# KiCad board PANEL_COM_MOD.kicad_pcb (continued)
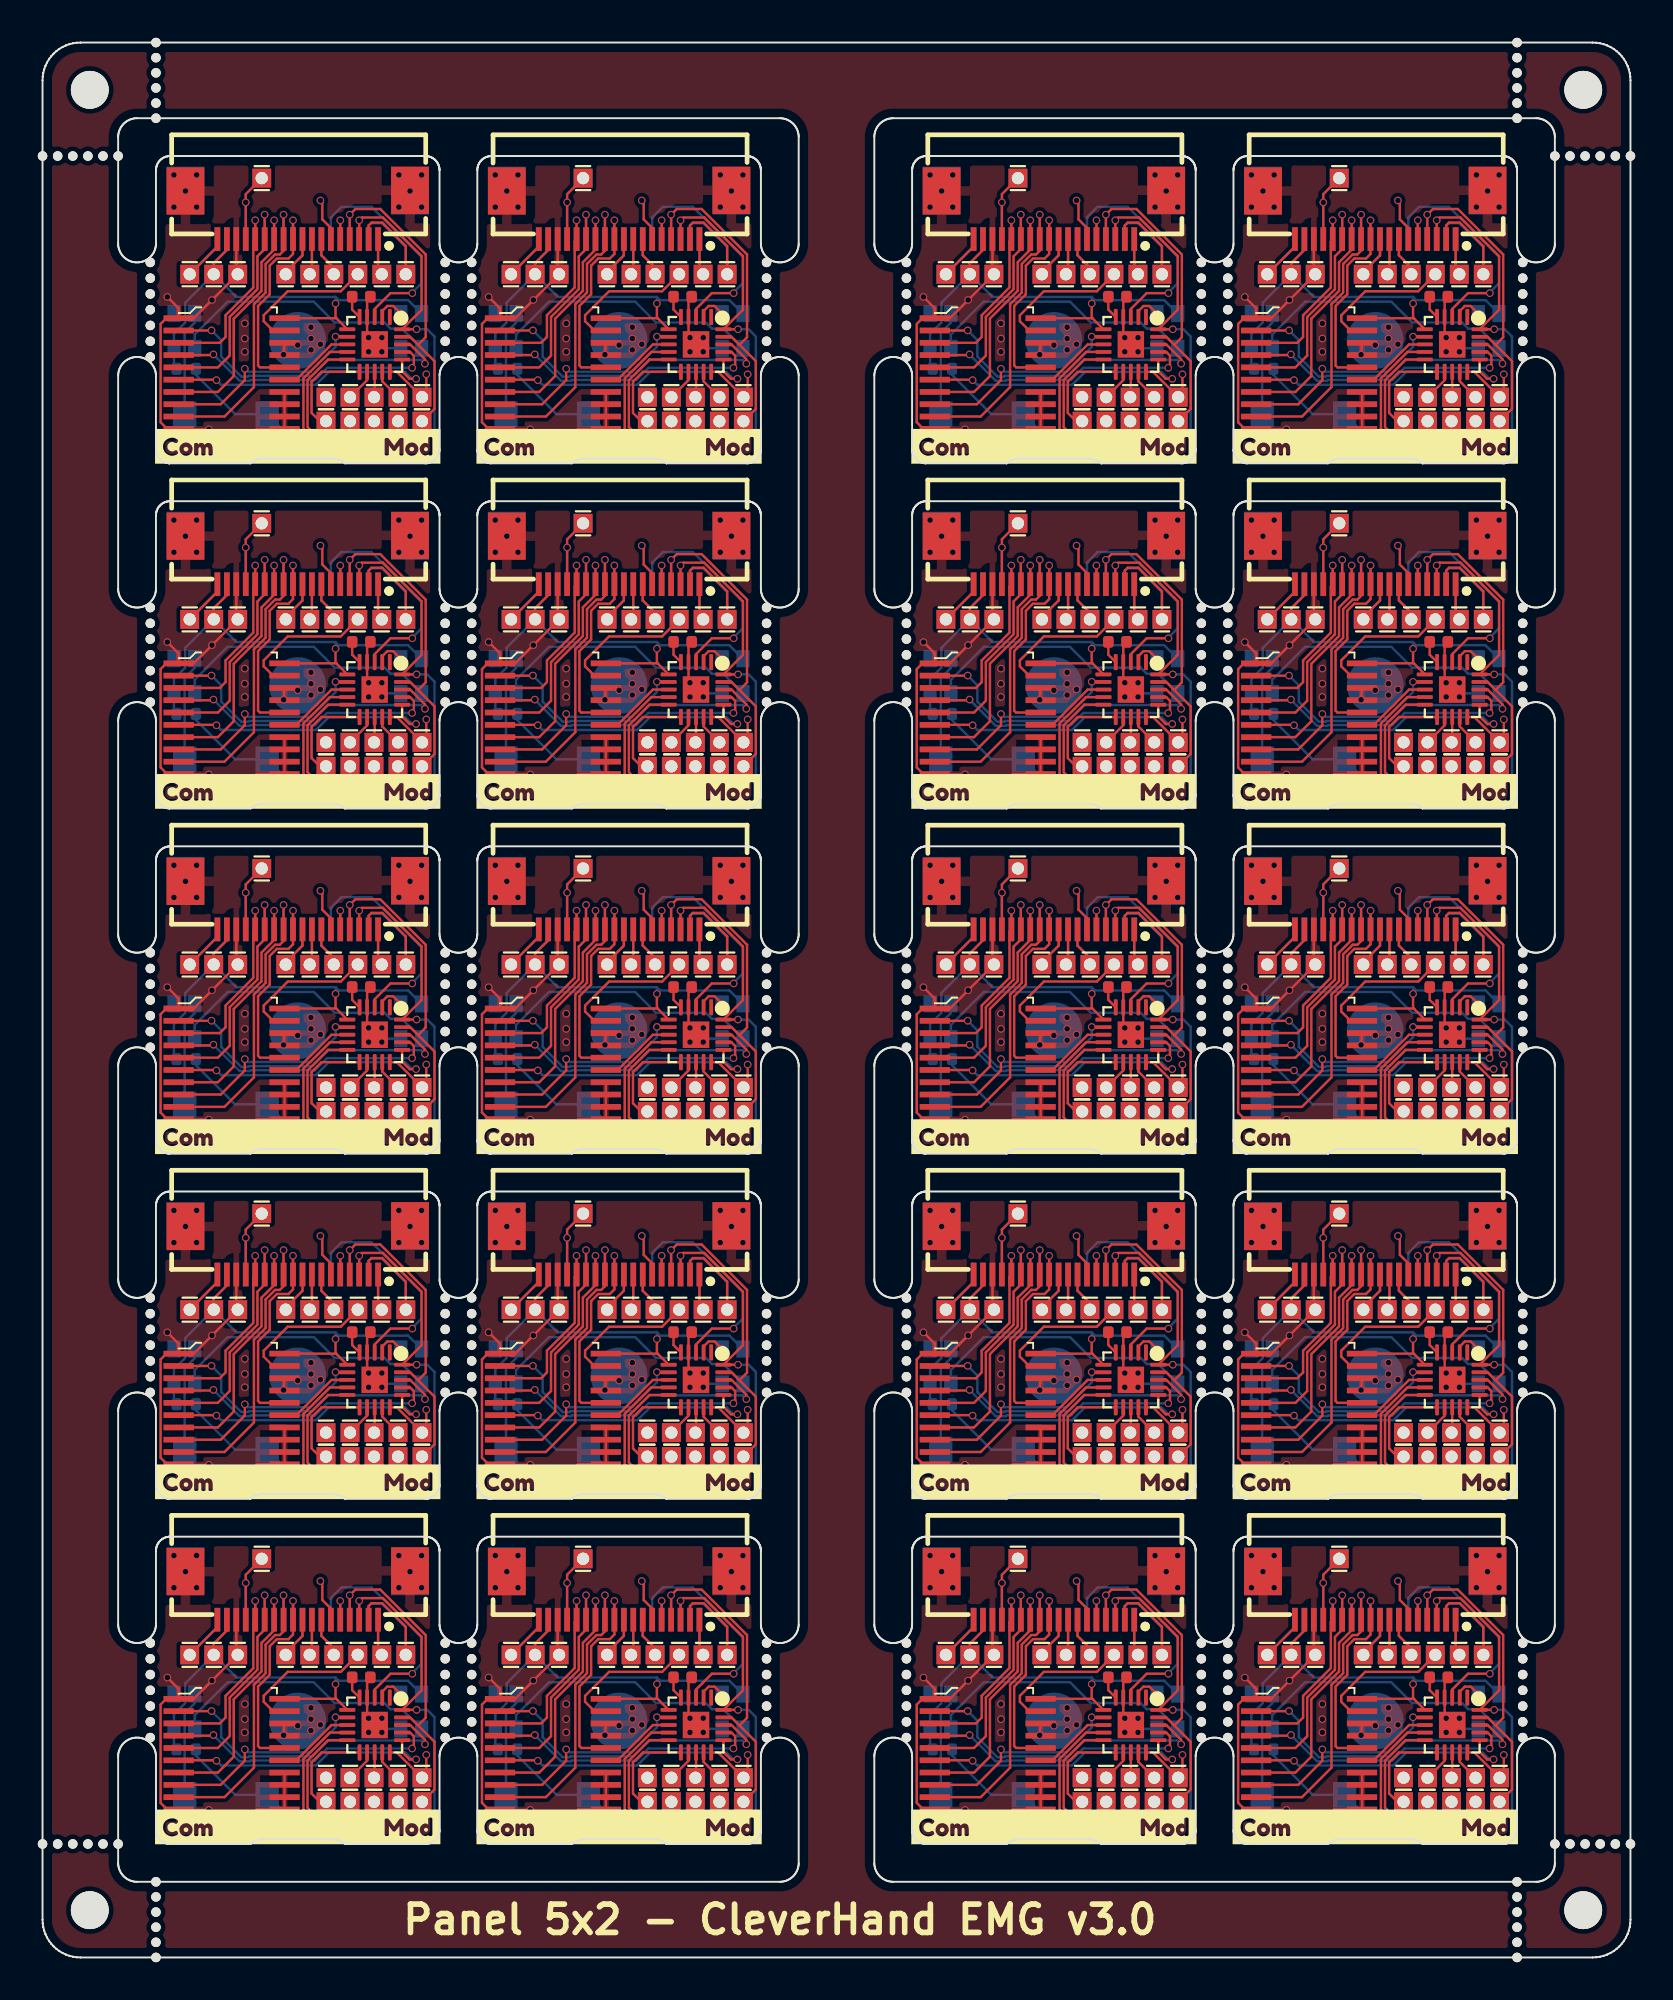
[diagram p0: board, top side]
## Placement (name value [footprint] x y rotation side) (continued)
KiKit_MB_38_4  -  [NPTH]  61.3 14.13 0 top
KiKit_MB_38_5  -  [NPTH]  61.3 13.29 0 top
KiKit_MB_38_6  -  [NPTH]  61.3 12.46 0 top
KiKit_MB_38_7  -  [NPTH]  61.3 11.63 0 top
KiKit_MB_39_1  -  [NPTH]  62.7 11.63 0 top
KiKit_MB_39_2  -  [NPTH]  62.7 12.46 0 top
KiKit_MB_39_3  -  [NPTH]  62.7 13.29 0 top
KiKit_MB_39_4  -  [NPTH]  62.7 14.13 0 top
KiKit_MB_39_5  -  [NPTH]  62.7 14.96 0 top
KiKit_MB_39_6  -  [NPTH]  62.7 15.79 0 top
KiKit_MB_39_7  -  [NPTH]  62.7 16.63 0 top
KiKit_MB_40_1  -  [NPTH]  78.3 16.63 0 top
KiKit_MB_40_2  -  [NPTH]  78.3 15.79 0 top
KiKit_MB_40_3  -  [NPTH]  78.3 14.96 0 top
KiKit_MB_40_4  -  [NPTH]  78.3 14.13 0 top
KiKit_MB_40_5  -  [NPTH]  78.3 13.29 0 top
KiKit_MB_40_6  -  [NPTH]  78.3 12.46 0 top
KiKit_MB_40_7  -  [NPTH]  78.3 11.63 0 top
KiKit_MB_41_1  -  [NPTH]  6 101.25 0 top
KiKit_MB_41_2  -  [NPTH]  6 100.45 0 top
KiKit_MB_41_3  -  [NPTH]  6 99.65 0 top
KiKit_MB_41_4  -  [NPTH]  6 98.85 0 top
KiKit_MB_41_5  -  [NPTH]  6 98.05 0 top
KiKit_MB_41_6  -  [NPTH]  6 97.25 0 top
KiKit_MB_42_1  -  [NPTH]  78 101.25 0 top
KiKit_MB_42_2  -  [NPTH]  78 100.45 0 top
KiKit_MB_42_3  -  [NPTH]  78 99.65 0 top
KiKit_MB_42_4  -  [NPTH]  78 98.85 0 top
KiKit_MB_42_5  -  [NPTH]  78 98.05 0 top
KiKit_MB_42_6  -  [NPTH]  78 97.25 0 top
KiKit_MB_43_1  -  [NPTH]  6 4 0 top
KiKit_MB_43_2  -  [NPTH]  6 3.2 0 top
KiKit_MB_43_3  -  [NPTH]  6 2.4 0 top
KiKit_MB_43_4  -  [NPTH]  6 1.6 0 top
KiKit_MB_43_5  -  [NPTH]  6 0.8 0 top
KiKit_MB_43_6  -  [NPTH]  6 0 0 top
KiKit_MB_44_1  -  [NPTH]  78 4 0 top
KiKit_MB_44_2  -  [NPTH]  78 3.2 0 top
KiKit_MB_44_3  -  [NPTH]  78 2.4 0 top
KiKit_MB_44_4  -  [NPTH]  78 1.6 0 top
KiKit_MB_44_5  -  [NPTH]  78 0.8 0 top
KiKit_MB_44_6  -  [NPTH]  78 0 0 top
KiKit_MB_45_1  -  [NPTH]  0 95.25 0 top
KiKit_MB_45_2  -  [NPTH]  0.8 95.25 0 top
KiKit_MB_45_3  -  [NPTH]  1.6 95.25 0 top
KiKit_MB_45_4  -  [NPTH]  2.4 95.25 0 top
KiKit_MB_45_5  -  [NPTH]  3.2 95.25 0 top
KiKit_MB_45_6  -  [NPTH]  4 95.25 0 top
KiKit_MB_46_1  -  [NPTH]  0 6 0 top
KiKit_MB_46_2  -  [NPTH]  0.8 6 0 top
KiKit_MB_46_3  -  [NPTH]  1.6 6 0 top
KiKit_MB_46_4  -  [NPTH]  2.4 6 0 top
KiKit_MB_46_5  -  [NPTH]  3.2 6 0 top
KiKit_MB_46_6  -  [NPTH]  4 6 0 top
KiKit_MB_47_1  -  [NPTH]  80 95.25 0 top
KiKit_MB_47_2  -  [NPTH]  80.8 95.25 0 top
KiKit_MB_47_3  -  [NPTH]  81.6 95.25 0 top
KiKit_MB_47_4  -  [NPTH]  82.4 95.25 0 top
KiKit_MB_47_5  -  [NPTH]  83.2 95.25 0 top
KiKit_MB_47_6  -  [NPTH]  84 95.25 0 top
KiKit_MB_48_1  -  [NPTH]  80 6 0 top
KiKit_MB_48_2  -  [NPTH]  80.8 6 0 top
KiKit_MB_48_3  -  [NPTH]  81.6 6 0 top
KiKit_MB_48_4  -  [NPTH]  82.4 6 0 top
KiKit_MB_48_5  -  [NPTH]  83.2 6 0 top
KiKit_MB_48_6  -  [NPTH]  84 6 0 top
KiKit_TO_1  -  [NPTH#2]  2.5 98.75 0 top
KiKit_TO_2  -  [NPTH#2]  81.5 98.75 0 top
KiKit_TO_3  -  [NPTH#2]  2.5 2.5 0 top
KiKit_TO_4  -  [NPTH#2]  81.5 2.5 0 top
LED1  WS2812C-2020-V1  [LED-SMD_4P-L2.0-W2.0-TL_WS2812B-2020]  76.5 13 90 bottom
LED1#2  WS2812C-2020-V1  [LED-SMD_4P-L2.0-W2.0-TL_WS2812B-2020]  36.5 86 90 bottom
LED1#3  WS2812C-2020-V1  [LED-SMD_4P-L2.0-W2.0-TL_WS2812B-2020]  19.5 67.75 90 bottom
LED1#4  WS2812C-2020-V1  [LED-SMD_4P-L2.0-W2.0-TL_WS2812B-2020]  19.5 86 90 bottom
LED1#5  WS2812C-2020-V1  [LED-SMD_4P-L2.0-W2.0-TL_WS2812B-2020]  36.5 67.75 90 bottom
LED1#6  WS2812C-2020-V1  [LED-SMD_4P-L2.0-W2.0-TL_WS2812B-2020]  76.5 31.25 90 bottom
LED1#7  WS2812C-2020-V1  [LED-SMD_4P-L2.0-W2.0-TL_WS2812B-2020]  76.5 49.5 90 bottom
LED1#8  WS2812C-2020-V1  [LED-SMD_4P-L2.0-W2.0-TL_WS2812B-2020]  59.5 67.75 90 bottom
LED1#9  WS2812C-2020-V1  [LED-SMD_4P-L2.0-W2.0-TL_WS2812B-2020]  19.5 13 90 bottom
LED1#10  WS2812C-2020-V1  [LED-SMD_4P-L2.0-W2.0-TL_WS2812B-2020]  76.5 67.75 90 bottom
LED1#11  WS2812C-2020-V1  [LED-SMD_4P-L2.0-W2.0-TL_WS2812B-2020]  59.5 13 90 bottom
LED1#12  WS2812C-2020-V1  [LED-SMD_4P-L2.0-W2.0-TL_WS2812B-2020]  59.5 49.5 90 bottom
LED1#13  WS2812C-2020-V1  [LED-SMD_4P-L2.0-W2.0-TL_WS2812B-2020]  36.5 13 90 bottom
LED1#14  WS2812C-2020-V1  [LED-SMD_4P-L2.0-W2.0-TL_WS2812B-2020]  59.5 31.25 90 bottom
LED1#15  WS2812C-2020-V1  [LED-SMD_4P-L2.0-W2.0-TL_WS2812B-2020]  36.5 49.5 90 bottom
LED1#16  WS2812C-2020-V1  [LED-SMD_4P-L2.0-W2.0-TL_WS2812B-2020]  19.5 31.25 90 bottom
LED1#17  WS2812C-2020-V1  [LED-SMD_4P-L2.0-W2.0-TL_WS2812B-2020]  36.5 31.25 90 bottom
LED1#18  WS2812C-2020-V1  [LED-SMD_4P-L2.0-W2.0-TL_WS2812B-2020]  19.5 49.5 90 bottom
LED1#19  WS2812C-2020-V1  [LED-SMD_4P-L2.0-W2.0-TL_WS2812B-2020]  76.5 86 90 bottom
LED1#20  WS2812C-2020-V1  [LED-SMD_4P-L2.0-W2.0-TL_WS2812B-2020]  59.5 86 90 bottom
LED2  WS2812C  [LED-SMD_4P-L2.0-W2.0-TL_WS2812B-2020]  24.5 13 270 bottom
LED2#2  WS2812C  [LED-SMD_4P-L2.0-W2.0-TL_WS2812B-2020]  24.5 31.25 270 bottom
LED2#3  WS2812C  [LED-SMD_4P-L2.0-W2.0-TL_WS2812B-2020]  24.5 86 270 bottom
LED2#4  WS2812C  [LED-SMD_4P-L2.0-W2.0-TL_WS2812B-2020]  64.5 13 270 bottom
LED2#5  WS2812C  [LED-SMD_4P-L2.0-W2.0-TL_WS2812B-2020]  47.5 86 270 bottom
LED2#6  WS2812C  [LED-SMD_4P-L2.0-W2.0-TL_WS2812B-2020]  47.5 31.25 270 bottom
LED2#7  WS2812C  [LED-SMD_4P-L2.0-W2.0-TL_WS2812B-2020]  7.5 67.75 270 bottom
LED2#8  WS2812C  [LED-SMD_4P-L2.0-W2.0-TL_WS2812B-2020]  7.5 13 270 bottom
LED2#9  WS2812C  [LED-SMD_4P-L2.0-W2.0-TL_WS2812B-2020]  24.5 49.5 270 bottom
LED2#10  WS2812C  [LED-SMD_4P-L2.0-W2.0-TL_WS2812B-2020]  64.5 67.75 270 bottom
LED2#11  WS2812C  [LED-SMD_4P-L2.0-W2.0-TL_WS2812B-2020]  64.5 31.25 270 bottom
LED2#12  WS2812C  [LED-SMD_4P-L2.0-W2.0-TL_WS2812B-2020]  47.5 49.5 270 bottom
LED2#13  WS2812C  [LED-SMD_4P-L2.0-W2.0-TL_WS2812B-2020]  7.5 31.25 270 bottom
LED2#14  WS2812C  [LED-SMD_4P-L2.0-W2.0-TL_WS2812B-2020]  47.5 13 270 bottom
LED2#15  WS2812C  [LED-SMD_4P-L2.0-W2.0-TL_WS2812B-2020]  24.5 67.75 270 bottom
LED2#16  WS2812C  [LED-SMD_4P-L2.0-W2.0-TL_WS2812B-2020]  7.5 86 270 bottom
LED2#17  WS2812C  [LED-SMD_4P-L2.0-W2.0-TL_WS2812B-2020]  47.5 67.75 270 bottom
LED2#18  WS2812C  [LED-SMD_4P-L2.0-W2.0-TL_WS2812B-2020]  64.5 86 270 bottom
LED2#19  WS2812C  [LED-SMD_4P-L2.0-W2.0-TL_WS2812B-2020]  64.5 49.5 270 bottom
LED2#20  WS2812C  [LED-SMD_4P-L2.0-W2.0-TL_WS2812B-2020]  7.5 49.5 270 bottom
R1  10K  [R_0402_1005Metric]  47.6 65.75 0 bottom
R1#2  10K  [R_0402_1005Metric]  47.6 11 0 bottom
R1#3  10K  [R_0402_1005Metric]  24.6 84 0 bottom
R1#4  10K  [R_0402_1005Metric]  47.6 29.25 0 bottom
R1#5  10K  [R_0402_1005Metric]  47.6 47.5 0 bottom
R1#6  10K  [R_0402_1005Metric]  7.6 29.25 0 bottom
R1#7  10K  [R_0402_1005Metric]  64.6 29.25 0 bottom
R1#8  10K  [R_0402_1005Metric]  7.6 47.5 0 bottom
R1#9  10K  [R_0402_1005Metric]  7.6 11 0 bottom
R1#10  10K  [R_0402_1005Metric]  64.6 84 0 bottom
R1#11  10K  [R_0402_1005Metric]  24.6 11 0 bottom
R1#12  10K  [R_0402_1005Metric]  24.6 65.75 0 bottom
R1#13  10K  [R_0402_1005Metric]  7.6 84 0 bottom
R1#14  10K  [R_0402_1005Metric]  64.6 65.75 0 bottom
R1#15  10K  [R_0402_1005Metric]  47.6 84 0 bottom
R1#16  10K  [R_0402_1005Metric]  24.6 29.25 0 bottom
R1#17  10K  [R_0402_1005Metric]  24.6 47.5 0 bottom
R1#18  10K  [R_0402_1005Metric]  64.6 47.5 0 bottom
R1#19  10K  [R_0402_1005Metric]  7.6 65.75 0 bottom
R1#20  10K  [R_0402_1005Metric]  64.6 11 0 bottom
SW1  TS-1088R-02026  [SW-SMD_L3.9-W3.0-P4.45]  26.7 81.6 180 bottom
SW1#2  TS-1088R-02026  [SW-SMD_L3.9-W3.0-P4.45]  49.7 8.6 180 bottom
SW1#3  TS-1088R-02026  [SW-SMD_L3.9-W3.0-P4.45]  9.7 8.6 180 bottom
SW1#4  TS-1088R-02026  [SW-SMD_L3.9-W3.0-P4.45]  49.7 81.6 180 bottom
SW1#5  TS-1088R-02026  [SW-SMD_L3.9-W3.0-P4.45]  49.7 63.35 180 bottom
SW1#6  TS-1088R-02026  [SW-SMD_L3.9-W3.0-P4.45]  26.7 8.6 180 bottom
SW1#7  TS-1088R-02026  [SW-SMD_L3.9-W3.0-P4.45]  26.7 45.1 180 bottom
SW1#8  TS-1088R-02026  [SW-SMD_L3.9-W3.0-P4.45]  9.7 45.1 180 bottom
SW1#9  TS-1088R-02026  [SW-SMD_L3.9-W3.0-P4.45]  66.7 8.6 180 bottom
SW1#10  TS-1088R-02026  [SW-SMD_L3.9-W3.0-P4.45]  66.7 26.85 180 bottom
SW1#11  TS-1088R-02026  [SW-SMD_L3.9-W3.0-P4.45]  26.7 63.35 180 bottom
SW1#12  TS-1088R-02026  [SW-SMD_L3.9-W3.0-P4.45]  66.7 81.6 180 bottom
SW1#13  TS-1088R-02026  [SW-SMD_L3.9-W3.0-P4.45]  9.7 63.35 180 bottom
SW1#14  TS-1088R-02026  [SW-SMD_L3.9-W3.0-P4.45]  26.7 26.85 180 bottom
SW1#15  TS-1088R-02026  [SW-SMD_L3.9-W3.0-P4.45]  9.7 26.85 180 bottom
SW1#16  TS-1088R-02026  [SW-SMD_L3.9-W3.0-P4.45]  49.7 45.1 180 bottom
SW1#17  TS-1088R-02026  [SW-SMD_L3.9-W3.0-P4.45]  9.7 81.6 180 bottom
SW1#18  TS-1088R-02026  [SW-SMD_L3.9-W3.0-P4.45]  66.7 63.35 180 bottom
SW1#19  TS-1088R-02026  [SW-SMD_L3.9-W3.0-P4.45]  49.7 26.85 180 bottom
SW1#20  TS-1088R-02026  [SW-SMD_L3.9-W3.0-P4.45]  66.7 45.1 180 bottom
U1  HC32L110C6UA  [QFN-20-1EP_3x3mm_P0.4mm_EP1.4x1.4mm]  74.57 67.04 270 top
U1#2  HC32L110C6UA  [QFN-20-1EP_3x3mm_P0.4mm_EP1.4x1.4mm]  34.57 12.29 270 top
U1#3  HC32L110C6UA  [QFN-20-1EP_3x3mm_P0.4mm_EP1.4x1.4mm]  34.57 85.29 270 top
U1#4  HC32L110C6UA  [QFN-20-1EP_3x3mm_P0.4mm_EP1.4x1.4mm]  17.57 30.54 270 top
U1#5  HC32L110C6UA  [QFN-20-1EP_3x3mm_P0.4mm_EP1.4x1.4mm]  57.57 30.54 270 top
U1#6  HC32L110C6UA  [QFN-20-1EP_3x3mm_P0.4mm_EP1.4x1.4mm]  74.57 85.29 270 top
U1#7  HC32L110C6UA  [QFN-20-1EP_3x3mm_P0.4mm_EP1.4x1.4mm]  17.57 67.04 270 top
U1#8  HC32L110C6UA  [QFN-20-1EP_3x3mm_P0.4mm_EP1.4x1.4mm]  17.57 12.29 270 top
U1#9  HC32L110C6UA  [QFN-20-1EP_3x3mm_P0.4mm_EP1.4x1.4mm]  74.57 30.54 270 top
U1#10  HC32L110C6UA  [QFN-20-1EP_3x3mm_P0.4mm_EP1.4x1.4mm]  17.57 48.79 270 top
U1#11  HC32L110C6UA  [QFN-20-1EP_3x3mm_P0.4mm_EP1.4x1.4mm]  57.57 85.29 270 top
U1#12  HC32L110C6UA  [QFN-20-1EP_3x3mm_P0.4mm_EP1.4x1.4mm]  34.57 30.54 270 top
U1#13  HC32L110C6UA  [QFN-20-1EP_3x3mm_P0.4mm_EP1.4x1.4mm]  74.57 12.29 270 top
U1#14  HC32L110C6UA  [QFN-20-1EP_3x3mm_P0.4mm_EP1.4x1.4mm]  57.57 48.79 270 top
U1#15  HC32L110C6UA  [QFN-20-1EP_3x3mm_P0.4mm_EP1.4x1.4mm]  34.57 48.79 270 top
U1#16  HC32L110C6UA  [QFN-20-1EP_3x3mm_P0.4mm_EP1.4x1.4mm]  17.57 85.29 270 top
U1#17  HC32L110C6UA  [QFN-20-1EP_3x3mm_P0.4mm_EP1.4x1.4mm]  57.57 12.29 270 top
U1#18  HC32L110C6UA  [QFN-20-1EP_3x3mm_P0.4mm_EP1.4x1.4mm]  74.57 48.79 270 top
U1#19  HC32L110C6UA  [QFN-20-1EP_3x3mm_P0.4mm_EP1.4x1.4mm]  34.57 67.04 270 top
U1#20  HC32L110C6UA  [QFN-20-1EP_3x3mm_P0.4mm_EP1.4x1.4mm]  57.57 67.04 270 top
U2  74HC688  [TSSOP-20_W4.4mm]  27 29 270 top
U2#2  74HC688  [TSSOP-20_W4.4mm]  50 47.25 270 top
U2#3  74HC688  [TSSOP-20_W4.4mm]  67 47.25 270 top
U2#4  74HC688  [TSSOP-20_W4.4mm]  50 29 270 top
U2#5  74HC688  [TSSOP-20_W4.4mm]  50 83.75 270 top
U2#6  74HC688  [TSSOP-20_W4.4mm]  10 65.5 270 top
U2#7  74HC688  [TSSOP-20_W4.4mm]  27 10.75 270 top
U2#8  74HC688  [TSSOP-20_W4.4mm]  10 10.75 270 top
U2#9  74HC688  [TSSOP-20_W4.4mm]  67 83.75 270 top
U2#10  74HC688  [TSSOP-20_W4.4mm]  67 29 270 top
U2#11  74HC688  [TSSOP-20_W4.4mm]  67 10.75 270 top
U2#12  74HC688  [TSSOP-20_W4.4mm]  10 83.75 270 top
U2#13  74HC688  [TSSOP-20_W4.4mm]  27 83.75 270 top
U2#14  74HC688  [TSSOP-20_W4.4mm]  50 10.75 270 top
U2#15  74HC688  [TSSOP-20_W4.4mm]  27 47.25 270 top
U2#16  74HC688  [TSSOP-20_W4.4mm]  67 65.5 270 top
U2#17  74HC688  [TSSOP-20_W4.4mm]  50 65.5 270 top
U2#18  74HC688  [TSSOP-20_W4.4mm]  10 29 270 top
U2#19  74HC688  [TSSOP-20_W4.4mm]  27 65.5 270 top
U2#20  74HC688  [TSSOP-20_W4.4mm]  10 47.25 270 top

## Library data of the parts
C1 C1#2-C1#20 = -: LCSC: C23733
FPC1 FPC1#2-FPC1#20 FPC2 FPC2#2-FPC2#20 = -: LCSC Part: C2856802
LED1 LED1#2-LED1#20 LED2 LED2#2-LED2#20 = -: LCSC Part: C2976072
R1 R1#2-R1#20 = -: LCSC: C25744
SW1 SW1#2-SW1#20 = -: Datasheet: https://lcsc.com/product-detail/New-Arrivals_XUNPU-TS-1088R-02026_C455280.html; LCSC Part: C455280
U1 U1#2-U1#20 = -: Datasheet: https://datasheet.lcsc.com/lcsc/2206131716_XHSC-HC32L110B6YA-CSP16TR_C840729.pdf; LCSC: C493490
U2 U2#2-U2#20 = -: Datasheet: https://www.ti.com/lit/ds/symlink/cd54hc688.pdf; LCSC: C132045; Field5: REF**

## Footprints (pads in the part's own frame, mm; a bottom-side part is the same pattern mirrored in y, then rotated)
C_0402_1005Metric
  rrect 0.56x0.62 smd: 1(-0.48,0) 2(0.48,0)
FPC-SMD_18P-P0.50_FPC-05F-18PH20
  rect 0.3x1.25 smd: 1(-4.25,1.29) 2(-3.75,1.29) 3(-3.25,1.29) 4(-2.75,1.29) 5(-2.25,1.29) 6(-1.75,1.29) 7(-1.25,1.29) 8(-0.75,1.29) 9(-0.25,1.29) 10(0.25,1.29) 11(0.75,1.29) 12(1.25,1.29) 13(1.75,1.29) 14(2.25,1.29) 15(2.75,1.29) 16(3.25,1.29) 17(3.75,1.29) 18(4.25,1.29)
  rect 2x2.5 smd: 19(-5.94,-1.29) 20(5.94,-1.25)
insert_1.2mm
  round 3 smd: 1(0,0)
LED-SMD_4P-L2.0-W2.0-TL_WS2812B-2020
  rect 0.9x0.7 smd: 1(-0.92,0.55) 2(-0.92,-0.55) 3(0.92,-0.55) 4(0.92,0.55)
NPTH
  round 0.5 hole 0.5 unplated: (0,0)
NPTH#2
  round 2 hole 2 unplated: (0,0)
PinHeader_1x01_P1.27mm_Vertical
  rect 1x1 hole 0.65: 1(0,0)
QFN-20-1EP_3x3mm_P0.4mm_EP1.4x1.4mm
  rrect 0.5x0.5 smd: (-0.35,0.35) (-0.35,-0.35) (0.35,0.35) (0.35,-0.35)
  rrect 0.85x0.2 smd: 1(-1.45,0.8) 2(-1.45,0.4) 3(-1.45,0) 4(-1.45,-0.4) 5(-1.45,-0.8) 11(1.45,-0.8) 12(1.45,-0.4) 13(1.45,0) 14(1.45,0.4) 15(1.45,0.8)
  rrect 0.2x0.85 smd: 6(-0.8,-1.45) 7(-0.4,-1.45) 8(0,-1.45) 9(0.4,-1.45) 10(0.8,-1.45) 16(0.8,1.45) 17(0.4,1.45) 18(0,1.45) 19(-0.4,1.45) 20(-0.8,1.45)
  rect 1.4x1.4 smd: 21(0,0)
R_0402_1005Metric
  rrect 0.54x0.64 smd: 1(-0.51,0) 2(0.51,0)
SW-SMD_L3.9-W3.0-P4.45
  rect 1.23x1.36 smd: 1(-2.18,0) 2(2.18,0)
TSSOP-20_W4.4mm
  rect 0.3x1.6 smd: 1(-2.925,-2.8) 2(-2.275,-2.8) 3(-1.625,-2.8) 4(-0.975,-2.8) 5(-0.325,-2.8) 6(0.325,-2.8) 7(0.975,-2.8) 8(1.625,-2.8) 9(2.275,-2.8) 10(2.925,-2.8) 11(2.925,2.8) 12(2.275,2.8) 13(1.625,2.8) 14(0.975,2.8) 15(0.325,2.8) 16(-0.325,2.8) 17(-0.975,2.8) 18(-1.625,2.8) 19(-2.275,2.8) 20(-2.925,2.8)

## Nets
Board_0-+3.3V: FPC1#7.2 FPC2#20.17 J1#20.1 LED1#4.4 LED2#16.4 R1#13.1 U1#16.6 U2#12.20
Board_0-/addr_bus_0: FPC1#7.5 FPC2#20.14 U2#12.3
Board_0-/addr_bus_1: FPC1#7.6 FPC2#20.13 U2#12.5
Board_0-/addr_bus_2: FPC1#7.7 FPC2#20.12 U2#12.7
Board_0-/addr_bus_3: FPC1#7.8 FPC2#20.11 U2#12.9
Board_0-/addr_bus_4: FPC1#7.9 FPC2#20.10 U2#12.16
Board_0-/addr_mod_0: U1#16.18 U2#12.2
Board_0-/addr_mod_1: U1#16.17 U2#12.4
Board_0-/addr_mod_2: U1#16.16 U2#12.6
Board_0-/addr_mod_3: U1#16.7 U2#12.8
Board_0-/addr_mod_4: U1#16.8 U2#12.15
Board_0-/AIN0: J18#13.1 U1#16.11
Board_0-/AUX1: FPC1#7.1 FPC2#20.18 J19#11.1
Board_0-/AUX2: FPC1#7.17 FPC2#20.2 J20#19.1
Board_0-/AUX3: FPC1#7.4 FPC2#20.15 J3#4.1
Board_0-/CSB: J8#18.1 U2#12.19
Board_0-/extRef: FPC1#7.18 FPC2#20.1 J9#2.1
Board_0-/GPIO: J21#12.1 R1#13.2 SW1#17.1 U1#16.10
Board_0-/i2C_SCL: FPC1#7.16 FPC2#20.3 J16#16.1 U1#16.20
Board_0-/I2C_SDA: FPC1#7.15 FPC2#20.4 J17#12.1 U1#16.19
Board_0-/IO1_in: FPC1#7.13 U1#16.3
Board_0-/IO1_out: FPC2#20.6 J11#20.1 U1#16.15
Board_0-/IO2: FPC1#7.14 FPC2#20.5
Board_0-/LED_IN: LED1#4.3 U1#16.2
Board_0-/LED_OUT: LED2#16.1
Board_0-/PICO: FPC1#7.11 FPC2#20.8 J6#16.1
Board_0-/PICO_ARM: J13#14.1 U1#16.13
Board_0-/POCI: FPC1#7.10 FPC2#20.9 J5#16.1
Board_0-/SCLK: FPC1#7.12 FPC2#20.7 J7#19.1
Board_0-/SCLK_ARM: J14#8.1 U1#16.12
Board_0-/SPICS_ARM: J15.1 U1#16.9
Board_0-/SWDIO/POCI_ARM: J12#3.1 U1#16.14
Board_0-/Vcap: C1#17.2 U1#16.5
Board_0-GND: C1#17.1 FPC1#7.3 FPC1#7.19 FPC1#7.20 FPC2#20.16 FPC2#20.19 FPC2#20.20 I1#7.1 J2#10.1 J22#9.1 LED1#4.2 LED2#16.2 SW1#17.2 U1#16.4 U1#16.21 U2#12.1 U2#12.10 U2#12.11 U2#12.12 U2#12.13 U2#12.14 U2#12.17 U2#12.18
Board_0-Net-(LED1-DO): LED1#4.1 LED2#16.3
Board_0-unconnected-(U1-P00-Pad1): U1#16.1
Board_1-+3.3V: FPC1#9.2 FPC2#19.17 J1#12.1 LED1#2.4 LED2#3.4 R1#3.1 U1#3.6 U2#13.20
Board_1-/addr_bus_0: FPC1#9.5 FPC2#19.14 U2#13.3
Board_1-/addr_bus_1: FPC1#9.6 FPC2#19.13 U2#13.5
Board_1-/addr_bus_2: FPC1#9.7 FPC2#19.12 U2#13.7
Board_1-/addr_bus_3: FPC1#9.8 FPC2#19.11 U2#13.9
Board_1-/addr_bus_4: FPC1#9.9 FPC2#19.10 U2#13.16
Board_1-/addr_mod_0: U1#3.18 U2#13.2
Board_1-/addr_mod_1: U1#3.17 U2#13.4
Board_1-/addr_mod_2: U1#3.16 U2#13.6
Board_1-/addr_mod_3: U1#3.7 U2#13.8
Board_1-/addr_mod_4: U1#3.8 U2#13.15
Board_1-/AIN0: J18#3.1 U1#3.11
Board_1-/AUX1: FPC1#9.1 FPC2#19.18 J19#13.1
Board_1-/AUX2: FPC1#9.17 FPC2#19.2 J20#4.1
Board_1-/AUX3: FPC1#9.4 FPC2#19.15 J3#2.1
Board_1-/CSB: J8#2.1 U2#13.19
Board_1-/extRef: FPC1#9.18 FPC2#19.1 J9#4.1
Board_1-/GPIO: J21#7.1 R1#3.2 SW1.1 U1#3.10
Board_1-/i2C_SCL: FPC1#9.16 FPC2#19.3 J16#6.1 U1#3.20
Board_1-/I2C_SDA: FPC1#9.15 FPC2#19.4 J17.1 U1#3.19
Board_1-/IO1_in: FPC1#9.13 U1#3.3
Board_1-/IO1_out: FPC2#19.6 J11#2.1 U1#3.15
Board_1-/IO2: FPC1#9.14 FPC2#19.5
Board_1-/LED_IN: LED1#2.3 U1#3.2
Board_1-/LED_OUT: LED2#3.1
Board_1-/PICO: FPC1#9.11 FPC2#19.8 J6#3.1
Board_1-/PICO_ARM: J13#9.1 U1#3.13
Board_1-/POCI: FPC1#9.10 FPC2#19.9 J5#18.1
Board_1-/SCLK: FPC1#9.12 FPC2#19.7 J7#15.1
Board_1-/SCLK_ARM: J14#9.1 U1#3.12
Board_1-/SPICS_ARM: J15#9.1 U1#3.9
Board_1-/SWDIO/POCI_ARM: J12#14.1 U1#3.14
Board_1-/Vcap: C1#20.2 U1#3.5
Board_1-GND: C1#20.1 FPC1#9.3 FPC1#9.19 FPC1#9.20 FPC2#19.16 FPC2#19.19 FPC2#19.20 I1#2.1 J2#9.1 J22#20.1 LED1#2.2 LED2#3.2 SW1.2 U1#3.4 U1#3.21 U2#13.1 U2#13.10 U2#13.11 U2#13.12 U2#13.13 U2#13.14 U2#13.17 U2#13.18
Board_1-Net-(LED1-DO): LED1#2.1 LED2#3.3
Board_1-unconnected-(U1-P00-Pad1): U1#3.1
Board_2-+3.3V: FPC1#18.2 FPC2#10.17 J1#14.1 LED1#20.4 LED2#5.4 R1#15.1 U1#11.6 U2#5.20
Board_2-/addr_bus_0: FPC1#18.5 FPC2#10.14 U2#5.3
Board_2-/addr_bus_1: FPC1#18.6 FPC2#10.13 U2#5.5
Board_2-/addr_bus_2: FPC1#18.7 FPC2#10.12 U2#5.7
Board_2-/addr_bus_3: FPC1#18.8 FPC2#10.11 U2#5.9
Board_2-/addr_bus_4: FPC1#18.9 FPC2#10.10 U2#5.16
Board_2-/addr_mod_0: U1#11.18 U2#5.2
Board_2-/addr_mod_1: U1#11.17 U2#5.4
Board_2-/addr_mod_2: U1#11.16 U2#5.6
Board_2-/addr_mod_3: U1#11.7 U2#5.8
Board_2-/addr_mod_4: U1#11.8 U2#5.15
Board_2-/AIN0: J18#4.1 U1#11.11
Board_2-/AUX1: FPC1#18.1 FPC2#10.18 J19#16.1
Board_2-/AUX2: FPC1#18.17 FPC2#10.2 J20#11.1
Board_2-/AUX3: FPC1#18.4 FPC2#10.15 J3#10.1
Board_2-/CSB: J8#9.1 U2#5.19
Board_2-/extRef: FPC1#18.18 FPC2#10.1 J9#16.1
Board_2-/GPIO: J21#18.1 R1#15.2 SW1#4.1 U1#11.10
Board_2-/i2C_SCL: FPC1#18.16 FPC2#10.3 J16#15.1 U1#11.20
Board_2-/I2C_SDA: FPC1#18.15 FPC2#10.4 J17#6.1 U1#11.19
Board_2-/IO1_in: FPC1#18.13 U1#11.3
Board_2-/IO1_out: FPC2#10.6 J11#10.1 U1#11.15
Board_2-/IO2: FPC1#18.14 FPC2#10.5
Board_2-/LED_IN: LED1#20.3 U1#11.2
Board_2-/LED_OUT: LED2#5.1
Board_2-/PICO: FPC1#18.11 FPC2#10.8 J6#9.1
Board_2-/PICO_ARM: J13#11.1 U1#11.13
Board_2-/POCI: FPC1#18.10 FPC2#10.9 J5#19.1
Board_2-/SCLK: FPC1#18.12 FPC2#10.7 J7.1
Board_2-/SCLK_ARM: J14.1 U1#11.12
Board_2-/SPICS_ARM: J15#17.1 U1#11.9
Board_2-/SWDIO/POCI_ARM: J12#9.1 U1#11.14
Board_2-/Vcap: C1#15.2 U1#11.5
Board_2-GND: C1#15.1 FPC1#18.3 FPC1#18.19 FPC1#18.20 FPC2#10.16 FPC2#10.19 FPC2#10.20 I1#12.1 J2#20.1 J22#10.1 LED1#20.2 LED2#5.2 SW1#4.2 U1#11.4 U1#11.21 U2#5.1 U2#5.10 U2#5.11 U2#5.12 U2#5.13 U2#5.14 U2#5.17 U2#5.18
Board_2-Net-(LED1-DO): LED1#20.1 LED2#5.3
Board_2-unconnected-(U1-P00-Pad1): U1#11.1
Board_3-+3.3V: FPC1#15.2 FPC2#15.17 J1#17.1 LED1#19.4 LED2#18.4 R1#10.1 U1#6.6 U2#9.20
Board_3-/addr_bus_0: FPC1#15.5 FPC2#15.14 U2#9.3
Board_3-/addr_bus_1: FPC1#15.6 FPC2#15.13 U2#9.5
Board_3-/addr_bus_2: FPC1#15.7 FPC2#15.12 U2#9.7
Board_3-/addr_bus_3: FPC1#15.8 FPC2#15.11 U2#9.9
Board_3-/addr_bus_4: FPC1#15.9 FPC2#15.10 U2#9.16
Board_3-/addr_mod_0: U1#6.18 U2#9.2
Board_3-/addr_mod_1: U1#6.17 U2#9.4
Board_3-/addr_mod_2: U1#6.16 U2#9.6
Board_3-/addr_mod_3: U1#6.7 U2#9.8
Board_3-/addr_mod_4: U1#6.8 U2#9.15
Board_3-/AIN0: J18#7.1 U1#6.11
Board_3-/AUX1: FPC1#15.1 FPC2#15.18 J19#8.1
Board_3-/AUX2: FPC1#15.17 FPC2#15.2 J20#14.1
Board_3-/AUX3: FPC1#15.4 FPC2#15.15 J3#19.1
Board_3-/CSB: J8#10.1 U2#9.19
Board_3-/extRef: FPC1#15.18 FPC2#15.1 J9#9.1
Board_3-/GPIO: J21#11.1 R1#10.2 SW1#12.1 U1#6.10
Board_3-/i2C_SCL: FPC1#15.16 FPC2#15.3 J16#14.1 U1#6.20
Board_3-/I2C_SDA: FPC1#15.15 FPC2#15.4 J17#9.1 U1#6.19
Board_3-/IO1_in: FPC1#15.13 U1#6.3
Board_3-/IO1_out: FPC2#15.6 J11#13.1 U1#6.15
Board_3-/IO2: FPC1#15.14 FPC2#15.5
Board_3-/LED_IN: LED1#19.3 U1#6.2
Board_3-/LED_OUT: LED2#18.1
Board_3-/PICO: FPC1#15.11 FPC2#15.8 J6.1
Board_3-/PICO_ARM: J13#4.1 U1#6.13
Board_3-/POCI: FPC1#15.10 FPC2#15.9 J5#7.1
Board_3-/SCLK: FPC1#15.12 FPC2#15.7 J7#16.1
Board_3-/SCLK_ARM: J14#2.1 U1#6.12
Board_3-/SPICS_ARM: J15#13.1 U1#6.9
Board_3-/SWDIO/POCI_ARM: J12#15.1 U1#6.14
Board_3-/Vcap: C1#19.2 U1#6.5
Board_3-GND: C1#19.1 FPC1#15.3 FPC1#15.19 FPC1#15.20 FPC2#15.16 FPC2#15.19 FPC2#15.20 I1#19.1 J2#13.1 J22#4.1 LED1#19.2 LED2#18.2 SW1#12.2 U1#6.4 U1#6.21 U2#9.1 U2#9.10 U2#9.11 U2#9.12 U2#9.13 U2#9.14 U2#9.17 U2#9.18
Board_3-Net-(LED1-DO): LED1#19.1 LED2#18.3
Board_3-unconnected-(U1-P00-Pad1): U1#6.1
Board_4-+3.3V: FPC1#19.2 FPC2#4.17 J1#7.1 LED1#3.4 LED2#7.4 R1#19.1 U1#7.6 U2#6.20
Board_4-/addr_bus_0: FPC1#19.5 FPC2#4.14 U2#6.3
Board_4-/addr_bus_1: FPC1#19.6 FPC2#4.13 U2#6.5
Board_4-/addr_bus_2: FPC1#19.7 FPC2#4.12 U2#6.7
Board_4-/addr_bus_3: FPC1#19.8 FPC2#4.11 U2#6.9
Board_4-/addr_bus_4: FPC1#19.9 FPC2#4.10 U2#6.16
Board_4-/addr_mod_0: U1#7.18 U2#6.2
Board_4-/addr_mod_1: U1#7.17 U2#6.4
Board_4-/addr_mod_2: U1#7.16 U2#6.6
Board_4-/addr_mod_3: U1#7.7 U2#6.8
Board_4-/addr_mod_4: U1#7.8 U2#6.15
Board_4-/AIN0: J18#14.1 U1#7.11
Board_4-/AUX1: FPC1#19.1 FPC2#4.18 J19#5.1
Board_4-/AUX2: FPC1#19.17 FPC2#4.2 J20#3.1
Board_4-/AUX3: FPC1#19.4 FPC2#4.15 J3#18.1
Board_4-/CSB: J8#8.1 U2#6.19
Board_4-/extRef: FPC1#19.18 FPC2#4.1 J9#19.1
Board_4-/GPIO: J21#19.1 R1#19.2 SW1#13.1 U1#7.10
Board_4-/i2C_SCL: FPC1#19.16 FPC2#4.3 J16#8.1 U1#7.20
Board_4-/I2C_SDA: FPC1#19.15 FPC2#4.4 J17#18.1 U1#7.19
Board_4-/IO1_in: FPC1#19.13 U1#7.3
Board_4-/IO1_out: FPC2#4.6 J11#6.1 U1#7.15
Board_4-/IO2: FPC1#19.14 FPC2#4.5
Board_4-/LED_IN: LED1#3.3 U1#7.2
Board_4-/LED_OUT: LED2#7.1
Board_4-/PICO: FPC1#19.11 FPC2#4.8 J6#13.1
Board_4-/PICO_ARM: J13#12.1 U1#7.13
Board_4-/POCI: FPC1#19.10 FPC2#4.9 J5#4.1
Board_4-/SCLK: FPC1#19.12 FPC2#4.7 J7#9.1
Board_4-/SCLK_ARM: J14#14.1 U1#7.12
Board_4-/SPICS_ARM: J15#14.1 U1#7.9
Board_4-/SWDIO/POCI_ARM: J12#20.1 U1#7.14
Board_4-/Vcap: C1#5.2 U1#7.5
Board_4-GND: C1#5.1 FPC1#19.3 FPC1#19.19 FPC1#19.20 FPC2#4.16 FPC2#4.19 FPC2#4.20 I1#18.1 J2#3.1 J22#16.1 LED1#3.2 LED2#7.2 SW1#13.2 U1#7.4 U1#7.21 U2#6.1 U2#6.10 U2#6.11 U2#6.12 U2#6.13 U2#6.14 U2#6.17 U2#6.18
Board_4-Net-(LED1-DO): LED1#3.1 LED2#7.3
Board_4-unconnected-(U1-P00-Pad1): U1#7.1
Board_5-+3.3V: FPC1#20.2 FPC2.17 J1#4.1 LED1#5.4 LED2#15.4 R1#12.1 U1#19.6 U2#19.20
Board_5-/addr_bus_0: FPC1#20.5 FPC2.14 U2#19.3
Board_5-/addr_bus_1: FPC1#20.6 FPC2.13 U2#19.5
Board_5-/addr_bus_2: FPC1#20.7 FPC2.12 U2#19.7
Board_5-/addr_bus_3: FPC1#20.8 FPC2.11 U2#19.9
Board_5-/addr_bus_4: FPC1#20.9 FPC2.10 U2#19.16
Board_5-/addr_mod_0: U1#19.18 U2#19.2
Board_5-/addr_mod_1: U1#19.17 U2#19.4
Board_5-/addr_mod_2: U1#19.16 U2#19.6
Board_5-/addr_mod_3: U1#19.7 U2#19.8
Board_5-/addr_mod_4: U1#19.8 U2#19.15
Board_5-/AIN0: J18#18.1 U1#19.11
Board_5-/AUX1: FPC1#20.1 FPC2.18 J19#20.1
Board_5-/AUX2: FPC1#20.17 FPC2.2 J20#6.1
Board_5-/AUX3: FPC1#20.4 FPC2.15 J3#14.1
Board_5-/CSB: J8#5.1 U2#19.19
Board_5-/extRef: FPC1#20.18 FPC2.1 J9#8.1
Board_5-/GPIO: J21#8.1 R1#12.2 SW1#11.1 U1#19.10
Board_5-/i2C_SCL: FPC1#20.16 FPC2.3 J16#17.1 U1#19.20
Board_5-/I2C_SDA: FPC1#20.15 FPC2.4 J17#4.1 U1#19.19
Board_5-/IO1_in: FPC1#20.13 U1#19.3
Board_5-/IO1_out: FPC2.6 J11#18.1 U1#19.15
Board_5-/IO2: FPC1#20.14 FPC2.5
Board_5-/LED_IN: LED1#5.3 U1#19.2
Board_5-/LED_OUT: LED2#15.1
Board_5-/PICO: FPC1#20.11 FPC2.8 J6#17.1
Board_5-/PICO_ARM: J13#19.1 U1#19.13
Board_5-/POCI: FPC1#20.10 FPC2.9 J5#5.1
Board_5-/SCLK: FPC1#20.12 FPC2.7 J7#4.1
Board_5-/SCLK_ARM: J14#18.1 U1#19.12
Board_5-/SPICS_ARM: J15#2.1 U1#19.9
Board_5-/SWDIO/POCI_ARM: J12#12.1 U1#19.14
Board_5-/Vcap: C1.2 U1#19.5
Board_5-GND: C1.1 FPC1#20.3 FPC1#20.19 FPC1#20.20 FPC2.16 FPC2.19 FPC2.20 I1#20.1 J2#12.1 J22#3.1 LED1#5.2 LED2#15.2 SW1#11.2 U1#19.4 U1#19.21 U2#19.1 U2#19.10 U2#19.11 U2#19.12 U2#19.13 U2#19.14 U2#19.17 U2#19.18
Board_5-Net-(LED1-DO): LED1#5.1 LED2#15.3
Board_5-unconnected-(U1-P00-Pad1): U1#19.1
Board_6-+3.3V: FPC1#5.2 FPC2#12.17 J1#18.1 LED1#8.4 LED2#17.4 R1.1 U1#20.6 U2#17.20
Board_6-/addr_bus_0: FPC1#5.5 FPC2#12.14 U2#17.3
Board_6-/addr_bus_1: FPC1#5.6 FPC2#12.13 U2#17.5
Board_6-/addr_bus_2: FPC1#5.7 FPC2#12.12 U2#17.7
Board_6-/addr_bus_3: FPC1#5.8 FPC2#12.11 U2#17.9
Board_6-/addr_bus_4: FPC1#5.9 FPC2#12.10 U2#17.16
Board_6-/addr_mod_0: U1#20.18 U2#17.2
Board_6-/addr_mod_1: U1#20.17 U2#17.4
Board_6-/addr_mod_2: U1#20.16 U2#17.6
Board_6-/addr_mod_3: U1#20.7 U2#17.8
Board_6-/addr_mod_4: U1#20.8 U2#17.15
Board_6-/AIN0: J18#17.1 U1#20.11
Board_6-/AUX1: FPC1#5.1 FPC2#12.18 J19#6.1
Board_6-/AUX2: FPC1#5.17 FPC2#12.2 J20#15.1
Board_6-/AUX3: FPC1#5.4 FPC2#12.15 J3#9.1
Board_6-/CSB: J8#3.1 U2#17.19
Board_6-/extRef: FPC1#5.18 FPC2#12.1 J9#7.1
Board_6-/GPIO: J21#14.1 R1.2 SW1#5.1 U1#20.10
Board_6-/i2C_SCL: FPC1#5.16 FPC2#12.3 J16#10.1 U1#20.20
Board_6-/I2C_SDA: FPC1#5.15 FPC2#12.4 J17#11.1 U1#20.19
Board_6-/IO1_in: FPC1#5.13 U1#20.3
Board_6-/IO1_out: FPC2#12.6 J11#4.1 U1#20.15
Board_6-/IO2: FPC1#5.14 FPC2#12.5
Board_6-/LED_IN: LED1#8.3 U1#20.2
Board_6-/LED_OUT: LED2#17.1
Board_6-/PICO: FPC1#5.11 FPC2#12.8 J6#2.1
Board_6-/PICO_ARM: J13#13.1 U1#20.13
Board_6-/POCI: FPC1#5.10 FPC2#12.9 J5#17.1
Board_6-/SCLK: FPC1#5.12 FPC2#12.7 J7#5.1
Board_6-/SCLK_ARM: J14#17.1 U1#20.12
Board_6-/SPICS_ARM: J15#19.1 U1#20.9
Board_6-/SWDIO/POCI_ARM: J12#6.1 U1#20.14
Board_6-/Vcap: C1#4.2 U1#20.5
Board_6-GND: C1#4.1 FPC1#5.3 FPC1#5.19 FPC1#5.20 FPC2#12.16 FPC2#12.19 FPC2#12.20 I1#16.1 J2#16.1 J22#6.1 LED1#8.2 LED2#17.2 SW1#5.2 U1#20.4 U1#20.21 U2#17.1 U2#17.10 U2#17.11 U2#17.12 U2#17.13 U2#17.14 U2#17.17 U2#17.18